# Altium PCB 整板_大板_one_EDA.PcbDoc (part 4 of 4)
Units mil, origin at the board's own origin, x right, y up, seen from the top; angles counter-clockwise.
Board outline 19488.19 x 7322.83 mil, 2 copper layers (Top Layer, Bottom Layer); 297 components, 275 nets, 1813 pads, 741 vias.
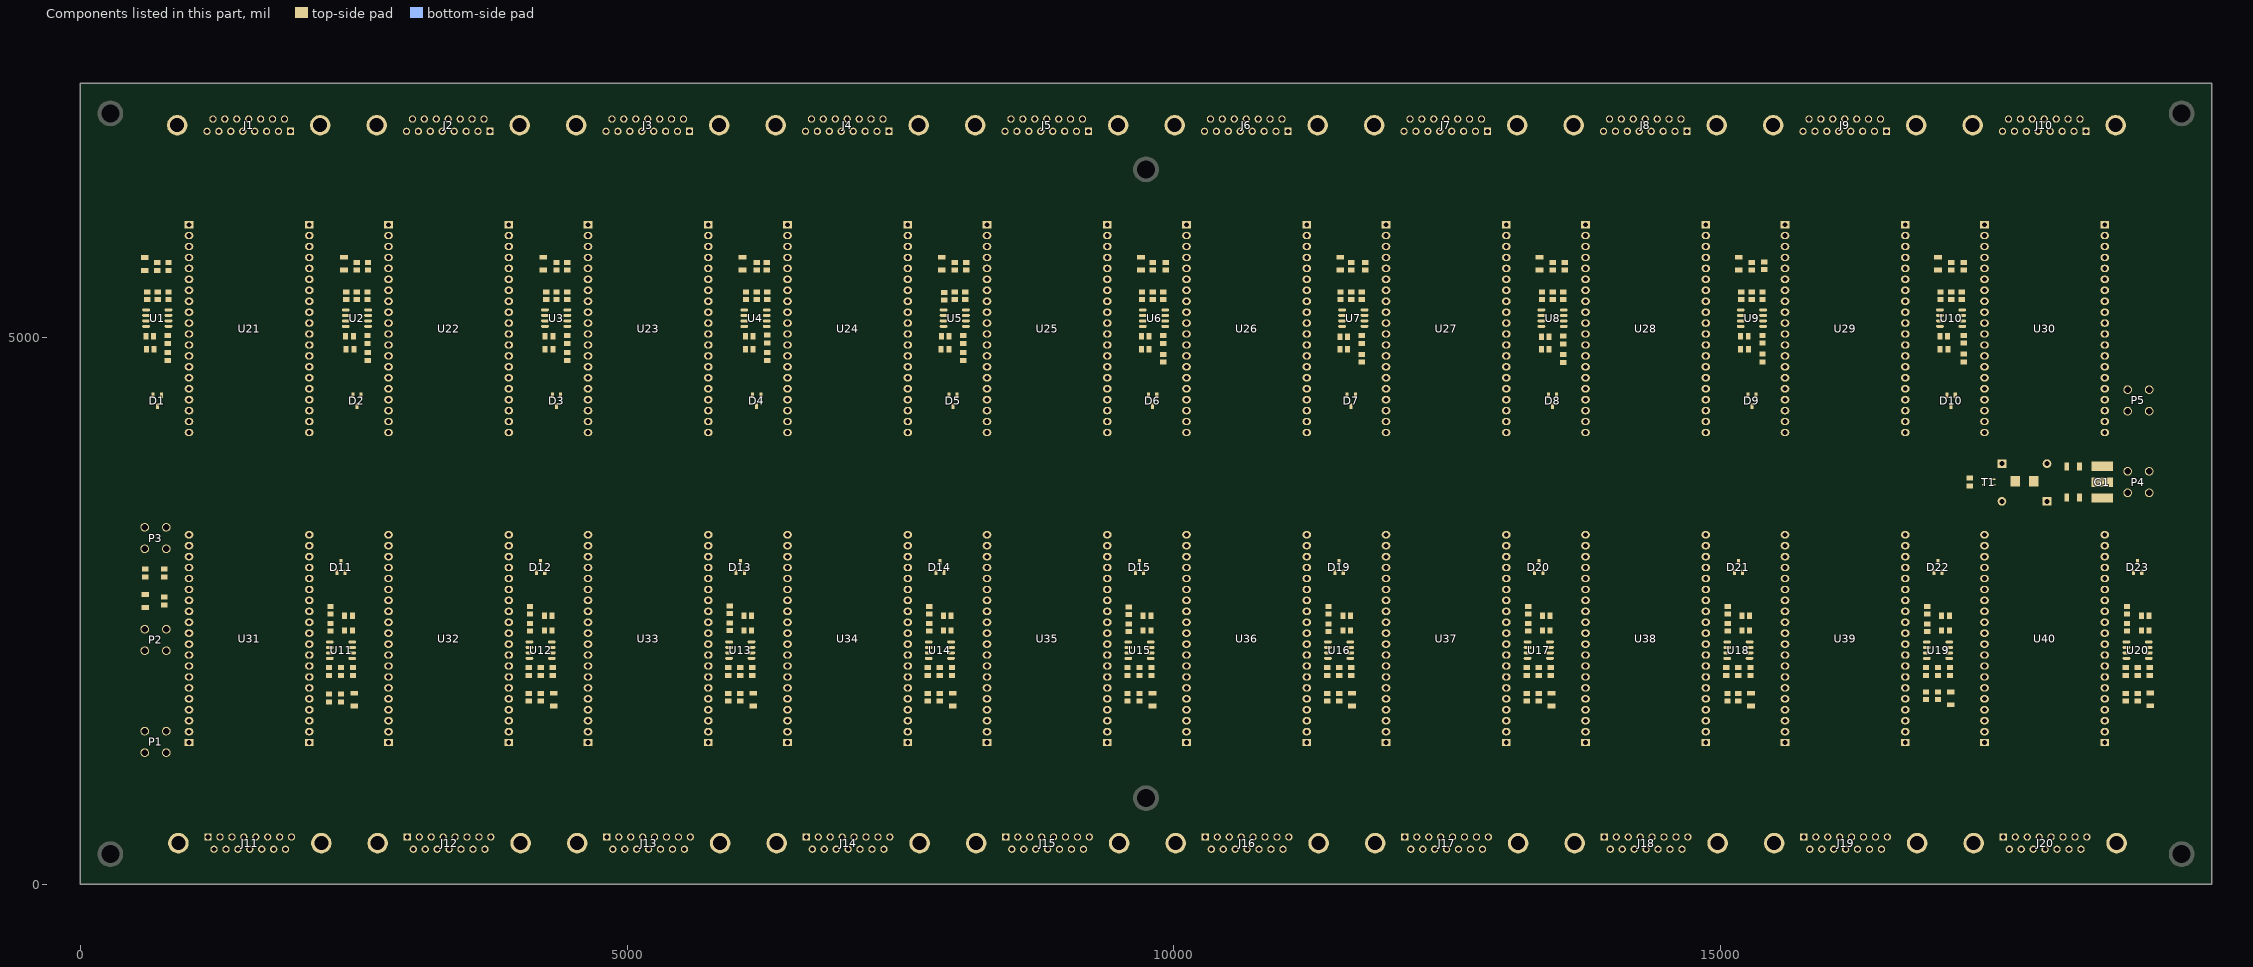
[diagram p4: the components of this part, seen from the top]

## Silkscreen, mask and mechanical layers (free items; w line width, h text height)
Top Overlay:
  text "01" at 2145,6681 h200
  text "02" at 3970.22,6681 h200
  text "03" at 5795.44,6681 h200
  text "04" at 7620.67,6681 h200
  text "05" at 9445.89,6681 h200
  text "06" at 11271.11,6681 h200
  text "07" at 13096.33,6681 h200
  text "08" at 14921.56,6681 h200
  text "09" at 16746.78,6681 h200
  text "10" at 18572,6681 h200
  text "DB15引脚功能表" at 18121,6559 h200
  text "1~9:prot9~1" at 18701,6327 h150
  text "01" at 935,6237 h200
  text "02" at 2757.67,6237 h200
  text "03" at 4580.33,6237 h200
  text "04" at 6403,6237 h200
  text "05" at 8225.67,6237 h200
  text "06" at 10048.33,6237 h200
  text "07" at 11871,6237 h200
  text "08" at 13693.67,6237 h200
  text "09" at 15516.33,6237 h200
  text "10" at 17339,6237 h200
  text "10:GND" at 18701,6078.85 h150
  text "11:CarrrierA" at 18701,5855.68 h150
  text "12:IN+" at 18701,5630.84 h150
  text "13:PE" at 18701,5409.34 h150
  text "14:IN-" at 18701,5184.5 h150
  text "15:CarrrierB" at 18701,4963 h150
  text "轴报总线" at 18755,4662 h100
  text "B" at 18595,4489 h100
  text "A" at 18584,4294 h100
  text "PC总线" at 18790,3914 h100
  text "B" at 18603,3740 h100
  text "A" at 18602,3552 h100
  text "5V" at 482,3398 h200
  text "+" at 295.28,3381.42 h200
  text "-" at 302,2851 h200
  text "+" at 300,2458 h200
  text "-" at 302,1924 h200
  text "48V" at 417,1876 h200
  text "PE" at 462,1530 h200
  text "11" at 919,940 h200
  text "12" at 2741,940 h200
  text "13" at 4563,940 h200
  text "14" at 6385,940 h200
  text "15" at 8207,940 h200
  text "16" at 10029,940 h200
  text "17" at 11851,940 h200
  text "18" at 13673,940 h200
  text "19" at 15495,940 h200
  text "20" at 17317,940 h200
  text "11" at 2165,503 h200
  text "11" at 2165,493 h200
  text "12" at 3989.44,493 h200
  text "13" at 5813.89,493 h200
  text "14" at 7638.33,493 h200
  text "15" at 9462.78,493 h200
  text "16" at 11287.22,493 h200
  text "17" at 13111.67,493 h200
  text "18" at 14936.11,493 h200
  text "19" at 16760.56,493 h200
  text "20" at 18585,493 h200

## Text inside footprints (layer, text, board x,y; h text height)
J1: Top Overlay "8" at 1032.78,6856.84 h59.06; Top Overlay "15" at 986.42,7069.08 h59.06; Top Overlay "9" at 2005.45,7073.1 h59.06; Top Overlay "1" at 2020.74,6851.45 h59.06; Bottom Overlay "1" at 2037.3,6851.45 h59.06; Bottom Overlay "9" at 2037.3,7073.1 h59.06; Bottom Overlay "15" at 1076.91,7066.96 h59.06; Bottom Overlay "8" at 1052.46,6856.84 h59.06
J2: Top Overlay "8" at 2856.67,6856.84 h59.06; Top Overlay "15" at 2810.31,7069.08 h59.06; Top Overlay "9" at 3829.34,7073.1 h59.06; Top Overlay "1" at 3844.63,6851.45 h59.06; Bottom Overlay "1" at 3861.19,6851.45 h59.06; Bottom Overlay "9" at 3861.19,7073.1 h59.06; Bottom Overlay "15" at 2900.8,7066.96 h59.06; Bottom Overlay "8" at 2876.35,6856.84 h59.06
J3: Top Overlay "8" at 4680.56,6856.84 h59.06; Top Overlay "15" at 4634.2,7069.08 h59.06; Top Overlay "9" at 5653.23,7073.1 h59.06; Top Overlay "1" at 5668.52,6851.45 h59.06; Bottom Overlay "1" at 5685.08,6851.45 h59.06; Bottom Overlay "9" at 5685.08,7073.1 h59.06; Bottom Overlay "15" at 4724.69,7066.96 h59.06; Bottom Overlay "8" at 4700.24,6856.84 h59.06
J4: Top Overlay "8" at 6504.45,6856.84 h59.06; Top Overlay "15" at 6458.09,7069.08 h59.06; Top Overlay "9" at 7477.12,7073.1 h59.06; Top Overlay "1" at 7492.41,6851.45 h59.06; Bottom Overlay "1" at 7508.96,6851.45 h59.06; Bottom Overlay "9" at 7508.96,7073.1 h59.06; Bottom Overlay "15" at 6548.58,7066.96 h59.06; Bottom Overlay "8" at 6524.13,6856.84 h59.06
J5: Top Overlay "8" at 8328.34,6856.84 h59.06; Top Overlay "15" at 8281.98,7069.08 h59.06; Top Overlay "9" at 9301.01,7073.1 h59.06; Top Overlay "1" at 9316.3,6851.45 h59.06; Bottom Overlay "1" at 9332.85,6851.45 h59.06; Bottom Overlay "9" at 9332.85,7073.1 h59.06; Bottom Overlay "15" at 8372.47,7066.96 h59.06; Bottom Overlay "8" at 8348.02,6856.84 h59.06
J6: Top Overlay "8" at 10152.23,6856.84 h59.06; Top Overlay "15" at 10105.86,7069.08 h59.06; Top Overlay "9" at 11124.9,7073.1 h59.06; Top Overlay "1" at 11140.19,6851.45 h59.06; Bottom Overlay "1" at 11156.74,6851.45 h59.06; Bottom Overlay "9" at 11156.74,7073.1 h59.06; Bottom Overlay "15" at 10196.36,7066.96 h59.06; Bottom Overlay "8" at 10171.91,6856.84 h59.06
J7: Top Overlay "8" at 11976.12,6856.84 h59.06; Top Overlay "15" at 11929.75,7069.08 h59.06; Top Overlay "9" at 12948.79,7073.1 h59.06; Top Overlay "1" at 12964.07,6851.45 h59.06; Bottom Overlay "1" at 12980.63,6851.45 h59.06; Bottom Overlay "9" at 12980.63,7073.1 h59.06; Bottom Overlay "15" at 12020.25,7066.96 h59.06; Bottom Overlay "8" at 11995.8,6856.84 h59.06
J8: Top Overlay "8" at 13800,6856.84 h59.06; Top Overlay "15" at 13753.64,7069.08 h59.06; Top Overlay "9" at 14772.68,7073.1 h59.06; Top Overlay "1" at 14787.96,6851.45 h59.06; Bottom Overlay "1" at 14804.52,6851.45 h59.06; Bottom Overlay "9" at 14804.52,7073.1 h59.06; Bottom Overlay "15" at 13844.14,7066.96 h59.06; Bottom Overlay "8" at 13819.68,6856.84 h59.06
J9: Top Overlay "8" at 15623.89,6856.84 h59.06; Top Overlay "15" at 15577.53,7069.08 h59.06; Top Overlay "9" at 16596.56,7073.1 h59.06; Top Overlay "1" at 16611.85,6851.45 h59.06; Bottom Overlay "1" at 16628.41,6851.45 h59.06; Bottom Overlay "9" at 16628.41,7073.1 h59.06; Bottom Overlay "15" at 15668.02,7066.96 h59.06; Bottom Overlay "8" at 15643.57,6856.84 h59.06
J10: Top Overlay "8" at 17447.78,6856.84 h59.06; Top Overlay "15" at 17401.42,7069.08 h59.06; Top Overlay "9" at 18420.45,7073.1 h59.06; Top Overlay "1" at 18435.74,6851.45 h59.06; Bottom Overlay "1" at 18452.3,6851.45 h59.06; Bottom Overlay "9" at 18452.3,7073.1 h59.06; Bottom Overlay "15" at 17491.91,7066.96 h59.06; Bottom Overlay "8" at 17467.46,6856.84 h59.06
J11: Top Overlay "8" at 2059.05,458.16 h59.06 r180; Top Overlay "15" at 2105.41,245.92 h59.06 r180; Top Overlay "9" at 1086.38,241.9 h59.06 r180; Top Overlay "1" at 1071.09,463.55 h59.06 r180; Bottom Overlay "1" at 1054.54,463.55 h59.06 r180; Bottom Overlay "9" at 1054.54,241.9 h59.06 r180; Bottom Overlay "15" at 2014.92,248.04 h59.06 r180; Bottom Overlay "8" at 2039.37,458.16 h59.06 r180
J12: Top Overlay "1" at 2893.15,463.55 h59.06 r180; Top Overlay "9" at 2908.43,241.9 h59.06 r180; Top Overlay "15" at 3927.47,245.92 h59.06 r180; Top Overlay "8" at 3881.11,458.16 h59.06 r180; Bottom Overlay "8" at 3861.43,458.16 h59.06 r180; Bottom Overlay "15" at 3836.97,248.04 h59.06 r180; Bottom Overlay "9" at 2876.59,241.9 h59.06 r180; Bottom Overlay "1" at 2876.59,463.55 h59.06 r180
J13: Top Overlay "8" at 5704.99,458.16 h59.06 r180; Top Overlay "15" at 5751.36,245.92 h59.06 r180; Top Overlay "9" at 4732.32,241.9 h59.06 r180; Top Overlay "1" at 4717.04,463.55 h59.06 r180; Bottom Overlay "1" at 4700.48,463.55 h59.06 r180; Bottom Overlay "9" at 4700.48,241.9 h59.06 r180; Bottom Overlay "15" at 5660.86,248.04 h59.06 r180; Bottom Overlay "8" at 5685.32,458.16 h59.06 r180
J14: Top Overlay "8" at 7528.88,458.16 h59.06 r180; Top Overlay "15" at 7575.25,245.92 h59.06 r180; Top Overlay "9" at 6556.21,241.9 h59.06 r180; Top Overlay "1" at 6540.92,463.55 h59.06 r180; Bottom Overlay "1" at 6524.37,463.55 h59.06 r180; Bottom Overlay "9" at 6524.37,241.9 h59.06 r180; Bottom Overlay "15" at 7484.75,248.04 h59.06 r180; Bottom Overlay "8" at 7509.2,458.16 h59.06 r180
J15: Top Overlay "8" at 9352.77,458.16 h59.06 r180; Top Overlay "15" at 9399.13,245.92 h59.06 r180; Top Overlay "9" at 8380.1,241.9 h59.06 r180; Top Overlay "1" at 8364.81,463.55 h59.06 r180; Bottom Overlay "1" at 8348.26,463.55 h59.06 r180; Bottom Overlay "9" at 8348.26,241.9 h59.06 r180; Bottom Overlay "15" at 9308.64,248.04 h59.06 r180; Bottom Overlay "8" at 9333.09,458.16 h59.06 r180
J16: Top Overlay "8" at 11176.66,458.16 h59.06 r180; Top Overlay "15" at 11223.02,245.92 h59.06 r180; Top Overlay "9" at 10203.99,241.9 h59.06 r180; Top Overlay "1" at 10188.7,463.55 h59.06 r180; Bottom Overlay "1" at 10172.15,463.55 h59.06 r180; Bottom Overlay "9" at 10172.15,241.9 h59.06 r180; Bottom Overlay "15" at 11132.53,248.04 h59.06 r180; Bottom Overlay "8" at 11156.98,458.16 h59.06 r180
J17: Top Overlay "8" at 13000.55,458.16 h59.06 r180; Top Overlay "15" at 13046.91,245.92 h59.06 r180; Top Overlay "9" at 12027.88,241.9 h59.06 r180; Top Overlay "1" at 12012.59,463.55 h59.06 r180; Bottom Overlay "1" at 11996.03,463.55 h59.06 r180; Bottom Overlay "9" at 11996.03,241.9 h59.06 r180; Bottom Overlay "15" at 12956.42,248.04 h59.06 r180; Bottom Overlay "8" at 12980.87,458.16 h59.06 r180
J18: Top Overlay "8" at 14824.44,458.16 h59.06 r180; Top Overlay "15" at 14870.8,245.92 h59.06 r180; Top Overlay "9" at 13851.77,241.9 h59.06 r180; Top Overlay "1" at 13836.48,463.55 h59.06 r180; Bottom Overlay "1" at 13819.92,463.55 h59.06 r180; Bottom Overlay "9" at 13819.92,241.9 h59.06 r180; Bottom Overlay "15" at 14780.31,248.04 h59.06 r180; Bottom Overlay "8" at 14804.76,458.16 h59.06 r180
J19: Top Overlay "8" at 16648.33,458.16 h59.06 r180; Top Overlay "15" at 16694.69,245.92 h59.06 r180; Top Overlay "9" at 15675.66,241.9 h59.06 r180; Top Overlay "1" at 15660.37,463.55 h59.06 r180; Bottom Overlay "1" at 15643.81,463.55 h59.06 r180; Bottom Overlay "9" at 15643.81,241.9 h59.06 r180; Bottom Overlay "15" at 16604.2,248.04 h59.06 r180; Bottom Overlay "8" at 16628.65,458.16 h59.06 r180
J20: Top Overlay "8" at 18472.22,458.16 h59.06 r180; Top Overlay "15" at 18518.58,245.92 h59.06 r180; Top Overlay "9" at 17499.54,241.9 h59.06 r180; Top Overlay "1" at 17484.26,463.55 h59.06 r180; Bottom Overlay "1" at 17467.7,463.55 h59.06 r180; Bottom Overlay "9" at 17467.7,241.9 h59.06 r180; Bottom Overlay "15" at 18428.08,248.04 h59.06 r180; Bottom Overlay "8" at 18452.54,458.16 h59.06 r180